# KiCad board endeavour2.kicad_pcb (continued)
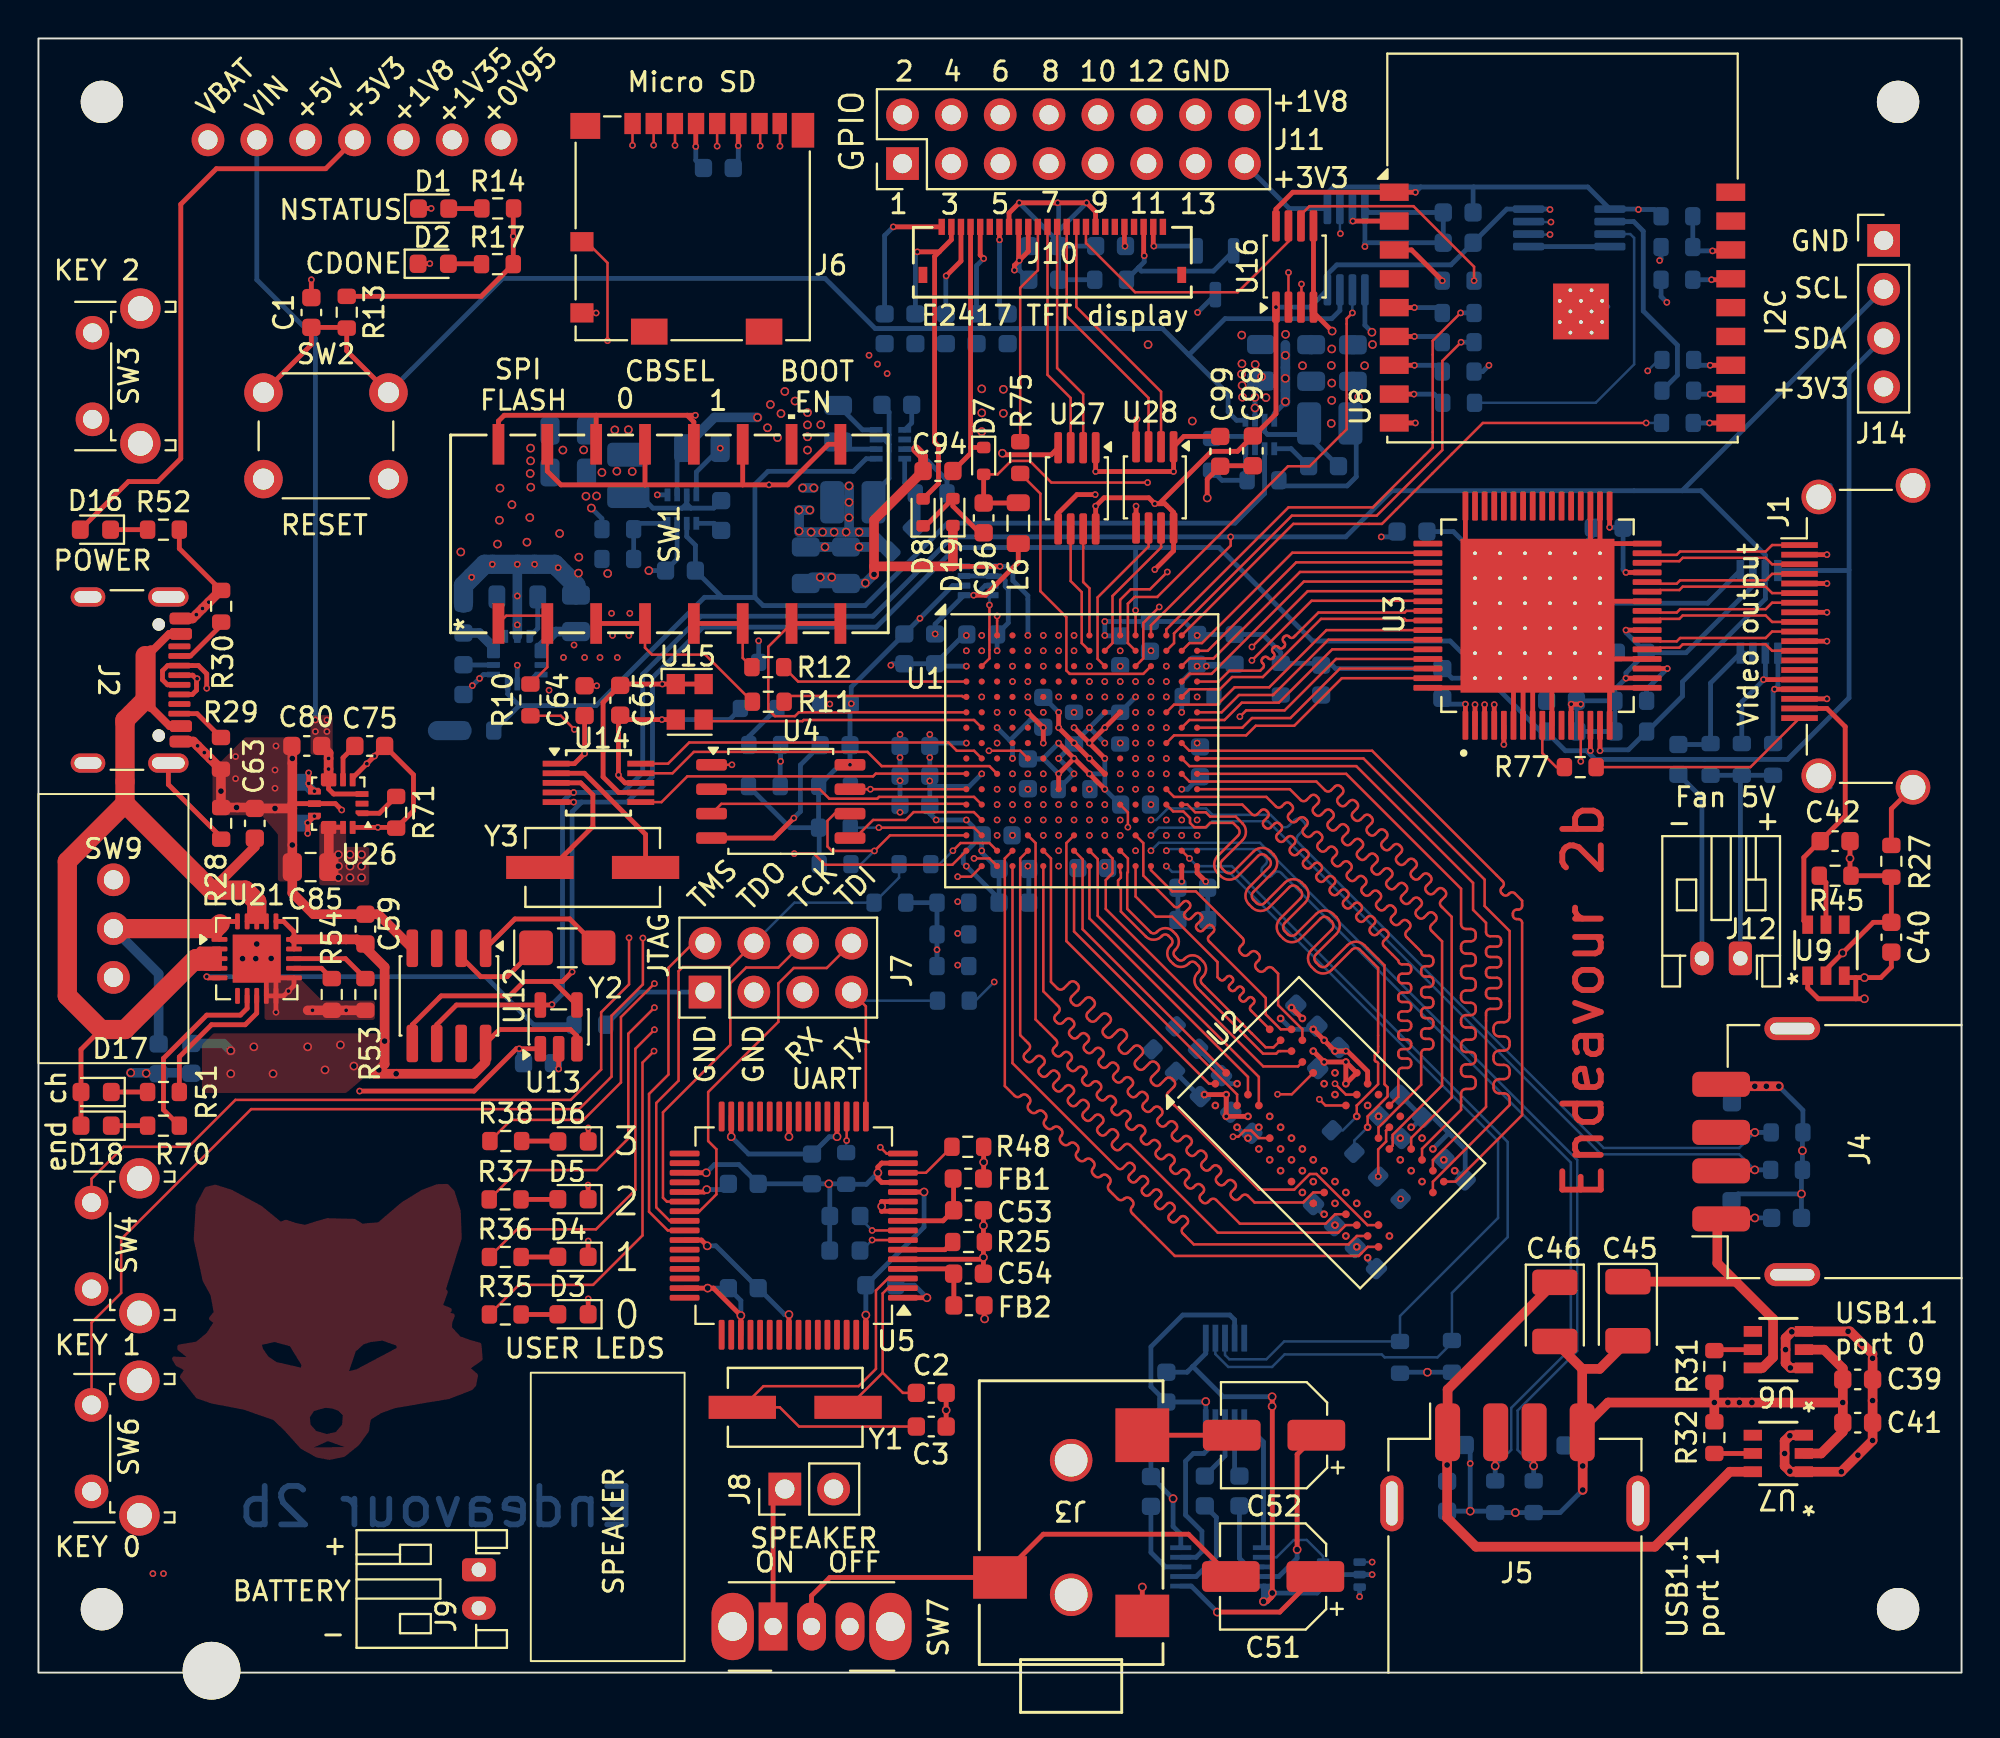
[diagram p0: board, top side]
## Library data of the parts (continued)
U5 = -: Datasheet: https://www.ftdichip.com/Support/Documents/DataSheets/ICs/DS_FT2232H.pdf; Description: Hi Speed Double Channel USB UART/FIFO, LQFP-64; ki_fp_filters: LQFP*10x10mm*P0.5mm*
U6 U7 U9 = -: ki_fp_filters: SOT26_DIO SOT26_DIO-M SOT26_DIO-L
U8 = -: ki_fp_filters: IC18_ESP32-C3-WROOM-02-N4_EXP
U10 = -: Datasheet: http://ww1.microchip.com/downloads/en/DeviceDoc/22187E.pdf; ki_fp_filters: *SOP*3x3mm*P0.5mm*
U11 = -: Datasheet: http://www.ti.com/lit/ds/symlink/lm4811.pdf; ki_fp_filters: TSSOP*3x3mm*P0.5mm*
U12 = -: Datasheet: PCF85063AT/AY; ki_fp_filters: SO8_SOT96-1_NXP SO8_SOT96-1_NXP-M SO8_SOT96-1_NXP-L
U13 = -: Datasheet: https://ww1.microchip.com/downloads/en/devicedoc/20001732e.pdf; Description: Single channel 12bit SAR Analog to Digital Converter, I2C Interface, SOT-23-5; ki_fp_filters: SOT?23*
U14 = -: Datasheet: https://www.silabs.com/documents/public/data-sheets/Si5351-B.pdf; ki_fp_filters: MSOP*3x3mm*P0.5mm*
U15 = -: Datasheet: https://global.kyocera.com/prdct/electro/product/pdf/clock_z_xz_e.pdf; ki_fp_filters: Oscillator*SMD*Kyocera*KC2520Z*2.5x2.0mm*
U16 U24 U27 U28 U31 = -: Datasheet: http://www.ti.com/lit/ds/symlink/sn74lvc2t45.pdf; Description: Dual-Bit Dual-Supply Bus Transceiver With Configurable Voltage Translation and 3-State Outputs, VSSOP-8; ki_fp_filters: VSSOP*2.3x2mm*P0.5mm*
U17 = -: PARTREV: A; STANDARD: IPC 7351B; MAXIMUM_PACKAGE_HEIGHT: 0.6 mm; MANUFACTURER: Texas Instruments
U18-U20 = -: ki_fp_filters: DRL0008A-MFG
U21 = -: Datasheet: http://www.mouser.com/ds/2/268/22090a-52174.pdf; Description: Single cell, Li-Ion/Li-Po charge management controller, 4.20V, 6h safety timer, 3.1V LBO threshold; ki_fp_filters: QFN*4x4mm*P0.5mm*
U22 U26 = -: Datasheet: https://www.analog.com/media/en/technical-documentation/data-sheets/MAX77827.pdf; Description: 5.5V Input, 1.8A/3.1A Switch Buck-Boost, QFN-14; ki_fp_filters: Maxim?FC2QFN*14*2.5x2.5mm*P0.5mm*
U23 = -: Datasheet: http://www.ti.com/lit/ds/symlink/sn74lvc1t45.pdf; Description: Single-Bit Dual-Supply Bus Transceiver With Configurable Voltage Translation and 3-State Outputs, SOT-363; ki_fp_filters: *SC?70*
U25 = -: Datasheet: https://www.nxp.com/docs/en/data-sheet/PCA9306.pdf; Description: Dual bidirectional I2C Bus and SMBus voltage level translator, TSSOP-8; ki_fp_filters: TSSOP*3x3mm*P0.65mm*
Y1 Y3 = -: ki_fp_filters: Crystal*
Y2 = -: Description: Two pin crystal; ki_fp_filters: Crystal*

## Footprints (pads in the part's own frame, mm; a bottom-side part is the same pattern mirrored in y, then rotated)
BGA-96_9.0x13.5mm_Layout2x3x16_P0.8mm
  round 0.4 smd: A1(-3.2,6) A2(-2.4,6) A3(-1.6,6) A7(1.6,6) A8(2.4,6) A9(3.2,6) B1(-3.2,5.2) B2(-2.4,5.2) B3(-1.6,5.2) B7(1.6,5.2) B8(2.4,5.2) B9(3.2,5.2) C1(-3.2,4.4) C2(-2.4,4.4) C3(-1.6,4.4) C7(1.6,4.4) C8(2.4,4.4) C9(3.2,4.4) D1(-3.2,3.6) D2(-2.4,3.6) D3(-1.6,3.6) D7(1.6,3.6) D8(2.4,3.6) D9(3.2,3.6) E1(-3.2,2.8) E2(-2.4,2.8) E3(-1.6,2.8) E7(1.6,2.8) E8(2.4,2.8) E9(3.2,2.8) F1(-3.2,2) F2(-2.4,2) F3(-1.6,2) F7(1.6,2) F8(2.4,2) F9(3.2,2) G1(-3.2,1.2) G2(-2.4,1.2) G3(-1.6,1.2) G7(1.6,1.2) G8(2.4,1.2) G9(3.2,1.2) H1(-3.2,0.4) H2(-2.4,0.4) H3(-1.6,0.4) H7(1.6,0.4) H8(2.4,0.4) H9(3.2,0.4) J1(-3.2,-0.4) J2(-2.4,-0.4) J3(-1.6,-0.4) J7(1.6,-0.4) J8(2.4,-0.4) J9(3.2,-0.4) K1(-3.2,-1.2) K2(-2.4,-1.2) K3(-1.6,-1.2) K7(1.6,-1.2) K8(2.4,-1.2) K9(3.2,-1.2) L1(-3.2,-2) L2(-2.4,-2) L3(-1.6,-2) L7(1.6,-2) L8(2.4,-2) L9(3.2,-2) M1(-3.2,-2.8) M2(-2.4,-2.8) M3(-1.6,-2.8) M7(1.6,-2.8) M8(2.4,-2.8) M9(3.2,-2.8) N1(-3.2,-3.6) N2(-2.4,-3.6) N3(-1.6,-3.6) N7(1.6,-3.6) N8(2.4,-3.6) N9(3.2,-3.6) P1(-3.2,-4.4) P2(-2.4,-4.4) P3(-1.6,-4.4) P7(1.6,-4.4) P8(2.4,-4.4) P9(3.2,-4.4) R1(-3.2,-5.2) R2(-2.4,-5.2) R3(-1.6,-5.2) R7(1.6,-5.2) R8(2.4,-5.2) R9(3.2,-5.2) T1(-3.2,-6) T2(-2.4,-6) T3(-1.6,-6) T7(1.6,-6) T8(2.4,-6) T9(3.2,-6)
BGA-256_14.0x14.0mm_Layout16x16_P0.8mm_Ball0.45mm_Pad0.32mm_NSMD
  round 0.32 smd: A1(-6,6) A2(-5.2,6) A3(-4.4,6) A4(-3.6,6) A5(-2.8,6) A6(-2,6) A7(-1.2,6) A8(-0.4,6) A9(0.4,6) A10(1.2,6) A11(2,6) A12(2.8,6) A13(3.6,6) A14(4.4,6) A15(5.2,6) A16(6,6) B1(-6,5.2) B2(-5.2,5.2) B3(-4.4,5.2) B4(-3.6,5.2) B5(-2.8,5.2) B6(-2,5.2) B7(-1.2,5.2) B8(-0.4,5.2) B9(0.4,5.2) B10(1.2,5.2) B11(2,5.2) B12(2.8,5.2) B13(3.6,5.2) B14(4.4,5.2) B15(5.2,5.2) B16(6,5.2) C1(-6,4.4) C2(-5.2,4.4) C3(-4.4,4.4) C4(-3.6,4.4) C5(-2.8,4.4) C6(-2,4.4) C7(-1.2,4.4) C8(-0.4,4.4) C9(0.4,4.4) C10(1.2,4.4) C11(2,4.4) C12(2.8,4.4) C13(3.6,4.4) C14(4.4,4.4) C15(5.2,4.4) C16(6,4.4) D1(-6,3.6) D2(-5.2,3.6) D3(-4.4,3.6) D4(-3.6,3.6) D5(-2.8,3.6) D6(-2,3.6) D7(-1.2,3.6) D8(-0.4,3.6) D9(0.4,3.6) D10(1.2,3.6) D11(2,3.6) D12(2.8,3.6) D13(3.6,3.6) D14(4.4,3.6) D15(5.2,3.6) D16(6,3.6) E1(-6,2.8) E2(-5.2,2.8) E3(-4.4,2.8) E4(-3.6,2.8) E5(-2.8,2.8) E6(-2,2.8) E7(-1.2,2.8) E8(-0.4,2.8) E9(0.4,2.8) E10(1.2,2.8) E11(2,2.8) E12(2.8,2.8) E13(3.6,2.8) E14(4.4,2.8) E15(5.2,2.8) E16(6,2.8) F1(-6,2) F2(-5.2,2) F3(-4.4,2) F4(-3.6,2) F5(-2.8,2) F6(-2,2) F7(-1.2,2) F8(-0.4,2) F9(0.4,2) F10(1.2,2) F11(2,2) F12(2.8,2) F13(3.6,2) F14(4.4,2) F15(5.2,2) F16(6,2) G1(-6,1.2) G2(-5.2,1.2) G3(-4.4,1.2) G4(-3.6,1.2) G5(-2.8,1.2) G6(-2,1.2) G7(-1.2,1.2) G8(-0.4,1.2) G9(0.4,1.2) G10(1.2,1.2) G11(2,1.2) G12(2.8,1.2) G13(3.6,1.2) G14(4.4,1.2) G15(5.2,1.2) G16(6,1.2) H1(-6,0.4) H2(-5.2,0.4) H3(-4.4,0.4) H4(-3.6,0.4) H5(-2.8,0.4) H6(-2,0.4) H7(-1.2,0.4) H8(-0.4,0.4) H9(0.4,0.4) H10(1.2,0.4) H11(2,0.4) H12(2.8,0.4) H13(3.6,0.4) H14(4.4,0.4) H15(5.2,0.4) H16(6,0.4) J1(-6,-0.4) J2(-5.2,-0.4) J3(-4.4,-0.4) J4(-3.6,-0.4) J5(-2.8,-0.4) J6(-2,-0.4) J7(-1.2,-0.4) J8(-0.4,-0.4) J9(0.4,-0.4) J10(1.2,-0.4) J11(2,-0.4) J12(2.8,-0.4) J13(3.6,-0.4) J14(4.4,-0.4) J15(5.2,-0.4) J16(6,-0.4) K1(-6,-1.2) K2(-5.2,-1.2) K3(-4.4,-1.2) K4(-3.6,-1.2) K5(-2.8,-1.2) K6(-2,-1.2) K7(-1.2,-1.2) K8(-0.4,-1.2) K9(0.4,-1.2) K10(1.2,-1.2) K11(2,-1.2) K12(2.8,-1.2) K13(3.6,-1.2) K14(4.4,-1.2) K15(5.2,-1.2) K16(6,-1.2) L1(-6,-2) L2(-5.2,-2) L3(-4.4,-2) L4(-3.6,-2) L5(-2.8,-2) L6(-2,-2) L7(-1.2,-2) L8(-0.4,-2) L9(0.4,-2) L10(1.2,-2) L11(2,-2) L12(2.8,-2) L13(3.6,-2) L14(4.4,-2) L15(5.2,-2) L16(6,-2) M1(-6,-2.8) M2(-5.2,-2.8) M3(-4.4,-2.8) M4(-3.6,-2.8) M5(-2.8,-2.8) M6(-2,-2.8) M7(-1.2,-2.8) M8(-0.4,-2.8) M9(0.4,-2.8) M10(1.2,-2.8) M11(2,-2.8) M12(2.8,-2.8) M13(3.6,-2.8) M14(4.4,-2.8) M15(5.2,-2.8) M16(6,-2.8) N1(-6,-3.6) N2(-5.2,-3.6) N3(-4.4,-3.6) N4(-3.6,-3.6) N5(-2.8,-3.6) N6(-2,-3.6) N7(-1.2,-3.6) N8(-0.4,-3.6) N9(0.4,-3.6) N10(1.2,-3.6) N11(2,-3.6) N12(2.8,-3.6) N13(3.6,-3.6) N14(4.4,-3.6) N15(5.2,-3.6) N16(6,-3.6) P1(-6,-4.4) P2(-5.2,-4.4) P3(-4.4,-4.4) P4(-3.6,-4.4) P5(-2.8,-4.4) P6(-2,-4.4) P7(-1.2,-4.4) P8(-0.4,-4.4) P9(0.4,-4.4) P10(1.2,-4.4) P11(2,-4.4) P12(2.8,-4.4) P13(3.6,-4.4) P14(4.4,-4.4) P15(5.2,-4.4) P16(6,-4.4) R1(-6,-5.2) R2(-5.2,-5.2) R3(-4.4,-5.2) R4(-3.6,-5.2) R5(-2.8,-5.2) R6(-2,-5.2) R7(-1.2,-5.2) R8(-0.4,-5.2) R9(0.4,-5.2) R10(1.2,-5.2) R11(2,-5.2) R12(2.8,-5.2) R13(3.6,-5.2) R14(4.4,-5.2) R15(5.2,-5.2) R16(6,-5.2) T1(-6,-6) T2(-5.2,-6) T3(-4.4,-6) T4(-3.6,-6) T5(-2.8,-6) T6(-2,-6) T7(-1.2,-6) T8(-0.4,-6) T9(0.4,-6) T10(1.2,-6) T11(2,-6) T12(2.8,-6) T13(3.6,-6) T14(4.4,-6) T15(5.2,-6) T16(6,-6)
C_0603_1608Metric
  rrect 0.9x0.95 smd: 1(-0.775,0) 2(0.775,0)
C_0805_2012Metric
  rrect 1x1.45 smd: 1(-0.95,0) 2(0.95,0)
CONN24X1_CF35242D0RE-NH_CVI
  rect 0.33x0.838 smd: 1(-5.75,1.839) 2(-5.25,1.839) 3(-4.75,1.839) 4(-4.25,1.839) 5(-3.75,1.839) 6(-3.25,1.839) 7(-2.75,1.839) 8(-2.25,1.839) 9(-1.75,1.839) 10(-1.25,1.839) 11(-0.75,1.839) 12(-0.25,1.839) 13(0.25,1.839) 14(0.75,1.839) 15(1.25,1.839) 16(1.75,1.839) 17(2.25,1.839) 18(2.75,1.839) 19(3.25,1.839) 20(3.75,1.839) 21(4.25,1.839) 22(4.75,1.839) 23(5.25,1.839) 24(5.75,1.839)
  rect 0.457x0.838 smd: 25(-6.73,-0.661) 26(6.73,-0.661)
CP_EIA-3528-12_Kemet-T
  rrect 1.325x2.35 smd: 1(-1.538,0) 2(1.538,0)
CP_Elec_5x5.3
  rrect 3x1.6 smd: 1(-2.2,0) 2(2.2,0)
Crystal_SMD_MicroCrystal_CC7V-T1A-2Pin_3.2x1.5mm_HandSoldering
  rrect 1.75x1.8 smd: 1(-1.625,0) 2(1.625,0)
D_0603_1608Metric
  rrect 0.875x0.95 smd: 1(-0.788,0) 2(0.788,0)
D_SOD-523
  rrect 0.6x0.7 smd: 1(-0.7,0) 2(0.7,0)
DRL0008A-MFG
  rect 0.67x0.3 smd: 1(-0.74,0.75) 2(-0.74,0.25) 3(-0.74,-0.25) 4(-0.74,-0.75) 5(0.74,-0.75) 6(0.74,-0.25) 7(0.74,0.25) 8(0.74,0.75)
ESP32-C3-WROOM-02
  rect 1.5x0.9 smd: 1(-8.75,6) 2(-8.75,4.5) 3(-8.75,3) 4(-8.75,1.5) 5(-8.75,0) 6(-8.75,-1.5) 7(-8.75,-3) 8(-8.75,-4.5) 9(-8.75,-6) 10(8.75,-6) 11(8.75,-4.5) 12(8.75,-3) 13(8.75,-1.5) 14(8.75,0) 15(8.75,1.5) 16(8.75,3) 17(8.75,4.5) 18(8.75,6)
  round 0.6 hole 0.2: 19(-0.14,0.35) 19(-0.14,-0.75) 19(0.41,0.9) 19(0.41,-0.2) 19(0.41,-1.3) 19(0.96,0.35) 19(0.96,-0.75) 19(1.51,0.9) 19(1.51,-0.2) 19(1.51,-1.3) 19(2.06,0.35) 19(2.06,-0.75)
  rect 2.9x2.9 smd: 19(0.96,-0.2)
HDMI_A_Amphenol_10029449-x01xLF_Horizontal
  rect 0.3x1.9 smd: 1(4.75,5) 2(4.25,5) 3(3.75,5) 4(3.25,5) 5(2.75,5) 6(2.25,5) 7(1.75,5) 8(1.25,5) 9(0.75,5) 10(0.25,5) 11(-0.25,5) 12(-0.75,5) 13(-1.25,5) 14(-1.75,5) 15(-2.25,5) 16(-2.75,5) 17(-3.25,5) 18(-3.75,5) 19(-4.25,5)
  round 1.8 hole 1.3: SH(-7.85,-0.9) SH(-7.25,4) SH(7.25,4) SH(7.85,-0.9)
IC_TFP410PAP
  rrect 1.5x0.3 smd: 1(-5.7,3.75) 2(-5.7,3.25) 3(-5.7,2.75) 4(-5.7,2.25) 5(-5.7,1.75) 6(-5.7,1.25) 7(-5.7,0.75) 8(-5.7,0.25) 9(-5.7,-0.25) 10(-5.7,-0.75) 11(-5.7,-1.25) 12(-5.7,-1.75) 13(-5.7,-2.25) 14(-5.7,-2.75) 15(-5.7,-3.25) 16(-5.7,-3.75) 33(5.7,-3.75) 34(5.7,-3.25) 35(5.7,-2.75) 36(5.7,-2.25) 37(5.7,-1.75) 38(5.7,-1.25) 39(5.7,-0.75) 40(5.7,-0.25) 41(5.7,0.25) 42(5.7,0.75) 43(5.7,1.25) 44(5.7,1.75) 45(5.7,2.25) 46(5.7,2.75) 47(5.7,3.25) 48(5.7,3.75)
  rrect 0.3x1.5 smd: 17(-3.75,-5.7) 18(-3.25,-5.7) 19(-2.75,-5.7) 20(-2.25,-5.7) 21(-1.75,-5.7) 22(-1.25,-5.7) 23(-0.75,-5.7) 24(-0.25,-5.7) 25(0.25,-5.7) 26(0.75,-5.7) 27(1.25,-5.7) 28(1.75,-5.7) 29(2.25,-5.7) 30(2.75,-5.7) 31(3.25,-5.7) 32(3.75,-5.7) 49(3.75,5.7) 50(3.25,5.7) 51(2.75,5.7) 52(2.25,5.7) 53(1.75,5.7) 54(1.25,5.7) 55(0.75,5.7) 56(0.25,5.7) 57(-0.25,5.7) 58(-0.75,5.7) 59(-1.25,5.7) 60(-1.75,5.7) 61(-2.25,5.7) 62(-2.75,5.7) 63(-3.25,5.7) 64(-3.75,5.7)
  round 0.4 hole 0.2: 65(-3.25,3.25) 65(-3.25,1.95) 65(-3.25,0.65) 65(-3.25,-0.65) 65(-3.25,-1.95) 65(-3.25,-3.25) 65(-1.95,3.25) 65(-1.95,1.95) 65(-1.95,0.65) 65(-1.95,-0.65) 65(-1.95,-1.95) 65(-1.95,-3.25) 65(-0.65,3.25) 65(-0.65,1.95) 65(-0.65,0.65) 65(-0.65,-0.65) 65(-0.65,-1.95) 65(-0.65,-3.25) 65(0.65,3.25) 65(0.65,1.95) 65(0.65,0.65) 65(0.65,-0.65) 65(0.65,-1.95) 65(0.65,-3.25) 65(1.95,3.25) 65(1.95,1.95) 65(1.95,0.65) 65(1.95,-0.65) 65(1.95,-1.95) 65(1.95,-3.25) 65(3.25,3.25) 65(3.25,1.95) 65(3.25,0.65) 65(3.25,-0.65) 65(3.25,-1.95) 65(3.25,-3.25)
  rect 8x8 smd: 65(0,0)
JST_PH_S2B-PH-K_1x02_P2.00mm_Horizontal
  rrect 1.2x1.75 hole 0.75: 1(0,0)
  oval 1.2x1.75 hole 0.75: 2(2,0)
L_0603_1608Metric
  rrect 0.875x0.95 smd: 1(-0.787,0) 2(0.787,0)
L_0805_2012Metric
  rrect 0.875x1.2 smd: 1(-1.062,0) 2(1.062,0)
L_1008_2520Metric
  rrect 1.25x2.2 smd: 1(-1.075,0) 2(1.075,0)
LED_0603_1608Metric
  rrect 0.875x0.95 smd: 1(-0.787,0) 2(0.787,0)
LQFP-64_10x10mm_P0.5mm
  rrect 1.55x0.3 smd: 1(-5.675,3.75) 2(-5.675,3.25) 3(-5.675,2.75) 4(-5.675,2.25) 5(-5.675,1.75) 6(-5.675,1.25) 7(-5.675,0.75) 8(-5.675,0.25) 9(-5.675,-0.25) 10(-5.675,-0.75) 11(-5.675,-1.25) 12(-5.675,-1.75) 13(-5.675,-2.25) 14(-5.675,-2.75) 15(-5.675,-3.25) 16(-5.675,-3.75) 33(5.675,-3.75) 34(5.675,-3.25) 35(5.675,-2.75) 36(5.675,-2.25) 37(5.675,-1.75) 38(5.675,-1.25) 39(5.675,-0.75) 40(5.675,-0.25) 41(5.675,0.25) 42(5.675,0.75) 43(5.675,1.25) 44(5.675,1.75) 45(5.675,2.25) 46(5.675,2.75) 47(5.675,3.25) 48(5.675,3.75)
  rrect 0.3x1.55 smd: 17(-3.75,-5.675) 18(-3.25,-5.675) 19(-2.75,-5.675) 20(-2.25,-5.675) 21(-1.75,-5.675) 22(-1.25,-5.675) 23(-0.75,-5.675) 24(-0.25,-5.675) 25(0.25,-5.675) 26(0.75,-5.675) 27(1.25,-5.675) 28(1.75,-5.675) 29(2.25,-5.675) 30(2.75,-5.675) 31(3.25,-5.675) 32(3.75,-5.675) 49(3.75,5.675) 50(3.25,5.675) 51(2.75,5.675) 52(2.25,5.675) 53(1.75,5.675) 54(1.25,5.675) 55(0.75,5.675) 56(0.25,5.675) 57(-0.25,5.675) 58(-0.75,5.675) 59(-1.25,5.675) 60(-1.75,5.675) 61(-2.25,5.675) 62(-2.75,5.675) 63(-3.25,5.675) 64(-3.75,5.675)
Maxim_FC2QFN-14_2.5x2.5mm_P0.5mm
  rrect 0.675x0.3 smd: 1(-1.238,0.5) 2(-1.238,0) 3(-1.238,-0.5)
  rrect 0.3x0.675 smd: 4(-0.75,-1.238) 5(-0.25,-1.238) 13(-0.25,1.238) 14(-0.75,1.238)
  rrect 0.8x0.675 smd: 6(0.5,-1.238) 11(0.5,1.238)
  rrect 0.675x0.35 smd: 8(1.238,-0.65) 9(1.238,0) 10(1.238,0.65)
microSD_HC_Molex_104031-0811
  rect 0.85x1.1 smd: 1(-3.105,5.45) 2(-2.005,5.45) 3(-0.905,5.45) 4(0.195,5.45) 5(1.295,5.45) 6(2.395,5.45) 7(3.495,5.45)
  rect 0.75x1.1 smd: 8(4.545,5.45)
  rect 1.2x1 smd: 9(-5.74,-0.7) 10(-5.74,-4.4)
  rect 1.55x1.35 smd: 11(-5.565,5.325)
  rect 1.9x1.35 smd: 11(-2.24,-5.375) 11(3.73,-5.375)
  rect 1.17x1.8 smd: 11(5.755,5.1)
MountingHole_2.2mm_M2
  round 2.2 hole 2.2 unplated: (0,0)
MSOP-8_3x3mm_P0.65mm
  rrect 1.625x0.4 smd: 1(-2.112,0.975) 2(-2.112,0.325) 3(-2.112,-0.325) 4(-2.112,-0.975) 5(2.112,-0.975) 6(2.112,-0.325) 7(2.112,0.325) 8(2.112,0.975)
MSOP-10_3x3mm_P0.5mm
  rect 1.4x0.3 smd: 1(-2.2,1) 2(-2.2,0.5) 3(-2.2,0) 4(-2.2,-0.5) 5(-2.2,-1) 6(2.2,-1) 7(2.2,-0.5) 8(2.2,0) 9(2.2,0.5) 10(2.2,1)
mss3111
  oval 1.7x1.7 hole 1: 1(0,2.54) 2(0,0) 3(0,-2.54)
Oscillator_SMD_Kyocera_KC2520Z-4Pin_2.5x2.0mm
  rect 0.95x1.05 smd: 1(-0.725,0.925) 2(-0.725,-0.925) 3(0.725,-0.925) 4(0.725,0.925)
PinHeader_1x02_P2.54mm_Vertical
  rect 1.7x1.7 hole 1: 1(0,0)
  oval 1.7x1.7 hole 1: 2(0,-2.54)
PinHeader_1x04_P2.54mm_Vertical
  rect 1.7x1.7 hole 1: 1(0,0)
  oval 1.7x1.7 hole 1: 2(0,-2.54) 3(0,-5.08) 4(0,-7.62)
PinHeader_1x07_P2.54mm_Vertical
  round 1.7 hole 1: 1(0,0) 2(0,-2.54) 3(0,-5.08) 4(0,-7.62) 5(0,-10.16) 6(0,-12.7) 7(0,-15.24)
PinHeader_2x04_P2.54mm_Vertical
  rect 1.7x1.7 hole 1: 1(0,0)
  oval 1.7x1.7 hole 1: 2(2.54,0) 3(0,-2.54) 4(2.54,-2.54) 5(0,-5.08) 6(2.54,-5.08) 7(0,-7.62) 8(2.54,-7.62)
PinHeader_2x08_P2.54mm_Vertical
  rect 1.7x1.7 hole 1: 1(0,0)
  oval 1.7x1.7 hole 1: 2(2.54,0) 3(0,-2.54) 4(2.54,-2.54) 5(0,-5.08) 6(2.54,-5.08) 7(0,-7.62) 8(2.54,-7.62) 9(0,-10.16) 10(2.54,-10.16) 11(0,-12.7) 12(2.54,-12.7) 13(0,-15.24) 14(2.54,-15.24) 15(0,-17.78) 16(2.54,-17.78)
QFN-20-1EP_4x4mm_P0.5mm_EP2.5x2.5mm
  rrect 1.01x1.01 smd: (-0.625,0.625) (-0.625,-0.625) (0.625,0.625) (0.625,-0.625)
  rrect 0.825x0.25 smd: 1(-1.938,1) 2(-1.938,0.5) 3(-1.938,0) 4(-1.938,-0.5) 5(-1.938,-1) 11(1.938,-1) 12(1.938,-0.5) 13(1.938,0) 14(1.938,0.5) 15(1.938,1)
  rrect 0.25x0.825 smd: 6(-1,-1.938) 7(-0.5,-1.938) 8(0,-1.938) 9(0.5,-1.938) 10(1,-1.938) 16(1,1.938) 17(0.5,1.938) 18(0,1.938) 19(-0.5,1.938) 20(-1,1.938)
  rect 2.5x2.5 smd: 21(0,0)
R_0603_1608Metric
  rrect 0.8x0.95 smd: 1(-0.825,0) 2(0.825,0)
SC-59
  rrect 0.9x0.8 smd: 1(-1.2,0.95) 2(-1.2,-0.95) 3(1.2,0)
SJ-3523-SMT_CUD
  round 2.21 hole 1.702 unplated: (0,3.752) (0,-3.248)
  rect 2.794x2.21 smd: 1(-3.7,4.852) 3(3.7,2.852)
  rect 2.794x2.794 smd: 2(-3.7,-4.548)
SOIC-8_3.9x4.9mm_P1.27mm
  rrect 1.95x0.6 smd: 1(-2.475,1.905) 2(-2.475,0.635) 3(-2.475,-0.635) 4(-2.475,-1.905) 5(2.475,-1.905) 6(2.475,-0.635) 7(2.475,0.635) 8(2.475,1.905)
SOIC-8_5.23x5.23mm_P1.27mm
  rrect 1.6x0.6 smd: 1(-3.6,1.905) 2(-3.6,0.635) 3(-3.6,-0.635) 4(-3.6,-1.905) 5(3.6,-1.905) 6(3.6,-0.635) 7(3.6,0.635) 8(3.6,1.905)
SOT26_DIO
  rect 0.953x0.559 smd: 1(-1.327,0.95) 2(-1.327,0) 3(-1.327,-0.95) 4(1.327,-0.95) 5(1.327,0) 6(1.327,0.95)
SOT-23-3
  rrect 1.325x0.6 smd: 1(-1.137,0.95) 2(-1.137,-0.95) 3(1.137,0)
SOT-23-5
  rrect 1.325x0.6 smd: 1(-1.137,0.95) 2(-1.137,0) 3(-1.137,-0.95) 4(1.137,-0.95) 5(1.137,0.95)
SOT-363_SC-70-6
  rrect 0.65x0.4 smd: 1(-0.95,0.65) 2(-0.95,0) 3(-0.95,-0.65) 4(0.95,-0.65) 5(0.95,0) 6(0.95,0.65)
SOTFL50P160X60-8N
  rrect 0.66x0.32 smd: 1(-0.735,0.75) 2(-0.735,0.25) 3(-0.735,-0.25) 4(-0.735,-0.75) 5(0.735,-0.75) 6(0.735,-0.25) 7(0.735,0.25) 8(0.735,0.75)
SPDT_204-124_CTS
  rect 2.108x0.61 smd: 1(-4.661,8.89) 2(-4.661,6.35) 3(-4.661,3.81) 4(-4.661,1.27) 5(-4.661,-1.27) 6(-4.661,-3.81) 7(-4.661,-6.35) 8(-4.661,-8.89) 9(4.661,-8.89) 10(4.661,-6.35) 11(4.661,-3.81) 12(4.661,-1.27) 13(4.661,1.27) 14(4.661,3.81) 15(4.661,6.35) 16(4.661,8.89)
SW_PUSH_6mm
  round 2 hole 1.1: 1(0,0) 1(6.5,0) 2(0,-4.5) 2(6.5,-4.5)
SW_Slide_SPDT_Angled_CK_OS102011MA1Q
  oval 2.2x3.5 hole 1.5: (-2.1,0) (6.1,0)
  rect 1.5x2.5 hole 0.9: 1(0,0)
  oval 1.5x2.5 hole 0.9: 2(2,0) 3(4,0)
SW_Tactile_SPST_Angled_PTS645Vx58-2LFS
  round 2.1 hole 1.3: (-1.25,-2.49) (5.76,-2.49)
  round 1.75 hole 0.99: 1(0,0) 2(4.5,0)
TSSOP-8_3x3mm_P0.65mm
  rect 1.1x0.4 smd: 1(-2.15,0.975) 2(-2.15,0.325) 3(-2.15,-0.325) 4(-2.15,-0.975) 5(2.15,-0.975) 6(2.15,-0.325) 7(2.15,0.325) 8(2.15,0.975)
TSSOP-10_3x3mm_P0.5mm
  rect 1.1x0.25 smd: 1(-2.15,1) 2(-2.15,0.5) 3(-2.15,0) 4(-2.15,-0.5) 5(-2.15,-1) 6(2.15,-1) 7(2.15,-0.5) 8(2.15,0) 9(2.15,0.5) 10(2.15,1)
unnamed
  round 3 hole 4 unplated: (0,0.1)
USB_A_Receptacle_GCT_USB1046
  rrect 1.3x3 smd: 1(-3.5,7.25) 2(-1,7.25) 3(1,7.25) 4(3.5,7.25)
  oval 1.2x2.9 hole 0.6x2.3: 5(-6.4,3.55) 5(6.4,3.55)
USB_A_Receptacle_GCT_USB1046#2
  oval 1.2x2.9 smd: (-6.4,3.55) (6.4,3.55)
  rrect 1.3x3 smd: 1(-3.5,7.25) 2(-1,7.25) 3(1,7.25) 4(3.5,7.25)
  oval 1.2x2.9 hole 0.6x2.3: 5(-6.4,3.55) 5(6.4,3.55)
USB_C_Receptacle_GCT_USB4105-xx-A_16P_TopMnt_Horizontal
  oval 1x2.1 hole 0.6x1.7: (-4.32,3.105) S1(4.32,3.105)
  oval 1x1.8 hole 0.6x1.4: (-4.32,-1.075) (4.32,-1.075)
  round 0.65 hole 0.65 unplated: (-2.89,2.605) (2.89,2.605)
  rrect 0.6x1.15 smd: A1(-3.2,3.75) A4(-2.4,3.75) A9(2.4,3.75) A12(3.2,3.75) B1(3.2,3.75) B4(2.4,3.75) B9(-2.4,3.75) B12(-3.2,3.75)
  rrect 0.3x1.15 smd: A5(-1.25,3.68) A6(-0.25,3.68) A7(0.25,3.68) A8(1.25,3.68) B5(1.75,3.68) B6(0.75,3.68) B7(-0.75,3.68) B8(-1.75,3.68)
XTAL_ECS-120-20-3X-TR
  rect 3.5x1.2 smd: 1(-2.75,0) 2(2.75,0)

## Nets
3V3_SCL: J14.2 R50.2 U1.A13 U3.15 U12.6 U13.5 U14.4 U25.3
3V3_SDA: J14.3 R49.2 U1.A12 U3.14 U12.5 U13.4 U14.5 U25.4
+0V95: C6.1 C7.1 C8.1 C9.1 C60.1 C77.1 C82.1 J13.7 L1.2 R64.2 U1.F6 U1.F11 U1.G8 U1.G10 U1.H7 U1.H9 U1.J8 U1.J10 U1.K7 U1.K9 U1.L7 U1.L10
+1V8: C5.1 C10.1 C11.1 C12.1 C57.1 C58.1 C65.1 C79.1 C84.1 C98.2 C101.1 J11.16 J13.5 L3.2 R6.1 R7.1 R8.1 R9.1 R13.1 R14.1 R16.1 R17.1 R68.2 SW1.12 SW1.14 SW1.16 SW3.1 SW4.1 SW6.1 U1.C6 U1.C11 U1.D9 U1.E7 U1.F5 U1.G3 U1.G6 U1.G11 U1.H6 U1.J4 U1.K6 U1.K11 U1.M3 U4.8 U5.12 U5.37 U5.64 U14.7 U15.1 U15.4 U16.1 U17.6 U24.8 U27.8 U28.8 U31.8
+1V35: C13.1 C14.1 C15.1 C16.1 C17.1 C18.1 C24.1 C25.1 C26.1 C27.1 C28.1 C37.1 C38.1 C78.1 C83.1 J13.6 L2.2 R39.1 R40.1 R66.2 U1.C16 U1.F15 U1.G13 U1.J14 U1.K12 U1.L15 U1.M8 U1.N6 U1.P9 U1.R7 U1.T5 U2.A1 U2.A8 U2.B2 U2.C1 U2.C9 U2.D2 U2.D9 U2.E9 U2.F1 U2.G7 U2.H2 U2.H9 U2.K2 U2.K8 U2.N1 U2.N9 U2.R1 U2.R9 U23.6
+3V3: C4.1 C19.1 C20.1 C21.1 C23.1 C32.1 C33.1 C34.1 C35.1 C36.1 C55.1 C56.1 C64.1 C66.1 C81.1 C92.2 C93.2 C99.2 C100.1 D16.2 FB1.2 FB2.2 J6.4 J10.9 J10.10 J11.15 J13.4 J14.4 L6.1 R5.2 R21.2 R22.2 R23.2 R24.2 R46.1 R47.1 R48.1 R49.1 R50.1 R58.1 R59.1 U1.B13 U1.D14 U1.P4 U1.P14 U1.T15 U3.1 U3.12 U3.18 U3.23 U3.29 U3.33 U5.20 U5.31 U5.42 U5.56 U8.1 U14.1 U16.8 U17.3 U17.5 U22.11 U22.13 U24.1 U25.2 U27.1 U28.1 U31.1
+5V: C39.2 C40.1 C41.2 C49.2 C70.2 C85.1 J12.1 J13.3 R78.1 R79.1 R80.1 U6.1 U6.3 U7.1 U7.3 U9.1 U9.3 U10.1 U11.10 U13.1 U23.1 U26.11 U26.13
GND: C1.2 C2.2 C3.2 C4.2 C5.2 C6.2 C7.2 C8.2 C9.2 C10.2 C11.2 C12.2 C13.2 C14.2 C15.2 C16.2 C17.2 C18.2 C19.2 C20.2 C21.2 C22.2 C23.2 C24.2 C25.2 C26.2 C27.2 C28.2 C29.2 C30.2 C31.2 C32.2 C33.2 C34.2 C35.2 C36.2 C37.2 C38.2 C39.1 C40.2 C41.1 C42.2 C43.1 C44.1 C45.2 C46.2 C49.1 C50.2 C53.2 C54.2 C55.2 C56.2 C57.2 C58.2 C59.2 C60.2 C61.2 C62.2 C63.2 C64.2 C65.2 C66.2 C67.2 C68.2 C69.2 C70.1 C71.2 C75.2 C76.2 C77.2 C78.2 C79.2 C80.2 C81.2 C82.2 C83.2 C84.2 C85.2 C86.1 C87.2 C88.1 C89.1 C90.1 C91.1 C92.1 C93.1 C94.1 C95.1 C97.2 C98.1 C99.1 C100.2 C101.2 D3.1 D4.1 D5.1 D6.1 D10.1 D11.1 D12.1 D13.1 D14.1 D15.1 D19.1 J1.2 J1.5 J1.8 J1.11 J1.17 J2.A1 J2.A12 J2.B1 J2.B12 J3.1 J4.4 J5.4 J6.6 J6.10 J7.1 J7.3 J8.2 J9.2 J10.8 J10.17 J11.14 J12.2 J14.1 Q1.2 R1.2 R2.2 R3.2 R4.2 R18.2 R25.2 R27.1 R28.2 R29.2 R30.2 R31.2 R32.2 R33.2 R34.2 R41.2 R42.2 R43.2 R44.2 R45.2 R52.2 R53.1 R54.1 R65.1 R67.1 R69.1 R71.1 R72.1 SW1.9 SW1.11 SW1.13 SW1.15 SW2.2 TH1.1 U1.A1 U1.A5 U1.A10 U1.A16 U1.B8 U1.C1 U1.D4 U1.E2 U1.E12 U1.F7 U1.G7 U1.G9 U1.H1 U1.H8 U1.H10 U1.H16 U1.J7 U1.J9 U1.K2 U1.K8 U1.K10 U1.L5 U1.M13 U1.N1 U1.N11 U1.N16 U1.R2 U1.R12 U1.T1 U1.T10 U1.T16 U2.A9 U2.B1 U2.B3 U2.B9 U2.D1 U2.D8 U2.E1 U2.E2 U2.E8 U2.F9 U2.G1 U2.G8 U2.G9 U2.J2 U2.J8 U2.M1 U2.M9 U2.P1 U2.P9 U2.T1 U2.T9 U3.6 U3.7 U3.8 U3.10 U3.16 U3.17 U3.20 U3.26 U3.32 U3.34 U3.35 U3.48 U3.64 U3.65 U4.4 U5.1 U5.5 U5.10 U5.11 U5.13 U5.15 U5.25 U5.35 U5.47 U5.51 U6.2 U7.2 U8.9 U8.19 U9.2 U10.4 U10.10 U11.5 U12.4 U13.2 U14.8 U15.2 U16.4 U16.5 U17.1 U18.4 U18.7 U19.4 U19.7 U20.4 U20.7 U21.9 U21.10 U21.11 U21.21 U22.1 U22.4 U22.9 U22.14 U23.2 U23.5 U24.4 U24.5 U25.1 U26.4 U26.9 U26.14 U27.4 U27.5 U28.4 U28.5 U31.4 U31.5
VBAT: C59.1 C62.1 J9.1 J13.1 U12.8 U13.3 U21.14 U21.15 U21.16
VCCIO_EN: C87.1 R74.2 U18.1 U19.6 U20.6 U22.3
VIN: C67.1 C68.1 C69.1 C71.1 C80.1 J13.2 R74.1 SW9.1 U18.2 U19.2 U20.2 U22.6 U26.3 U26.6
BOOT_EN: SW1.7 SW1.8 U1.F1
CBSEL0: R11.1 U1.E1
CBSEL1: R12.1 U1.D1
CDONE: R9.2 R15.1 U1.K5
CLK25: U1.G2 U15.3
CRESET_N: C1.1 R13.2 SW2.1 U1.J5 U19.1 U20.1 U22.2 U24.7
CRESET_N_3V3: U3.13 U24.2
DDR_A0: U1.L13 U2.N3
DDR_A1: U1.J12 U2.P7
DDR_A2: U1.L12 U2.P3
DDR_A3: U1.P5 U2.N2
DDR_A4: U1.K16 U2.P8
DDR_A5: U1.R5 U2.P2
DDR_A6: U1.J15 U2.R8
DDR_A7: U1.T4 U2.R2
DDR_A8: U1.H15 U2.T8
DDR_A9: U1.R6 U2.R3
DDR_A10: U1.L14 U2.L7
DDR_A11: U1.J13 U2.R7
DDR_A12: U1.K14 U2.N7
DDR_A13: U1.P15 U2.T3
DDR_A14: U1.J16 U2.T7
DDR_A15: U1.L16 U2.M7
DDR_BA0: U1.M6 U2.M2
DDR_BA1: U1.K15 U2.N8
DDR_BA2: U1.N14 U2.M3
DDR_CK+: R26.2 U1.M14 U2.J7
DDR_CK-: R26.1 U1.M15 U2.K7
DDR_CKE: U1.M16 U2.K9
DDR_DQ0: U1.M7 U2.E3
DDR_DQ1: U1.M10 U2.F7
DDR_DQ2: U1.P7 U2.F2
DDR_DQ3: U1.M11 U2.F8
DDR_DQ4: U1.N7 U2.H3
DDR_DQ5: U1.P11 U2.H8
DDR_DQ6: U1.T7 U2.G2
DDR_DQ7: U1.P10 U2.H7
DDR_DQ8: U1.R10 U2.D7
DDR_DQ9: U1.T9 U2.C3
DDR_DQ10: U1.T13 U2.C8
DDR_DQ11: U1.T8 U2.C2
DDR_DQ12: U1.T12 U2.A7
DDR_DQ13: U1.P8 U2.A2
DDR_DQ14: U1.P12 U2.B8
DDR_DQ15: U1.R8 U2.A3
DDR_LDM: U1.M9 U2.E7
DDR_LDQS+: U1.N9 U2.F3
DDR_LDQS-: U1.N10 U2.G3
DDR_nCAS: U1.P16 U2.K3
DDR_nCS: U1.T6 U2.L2
DDR_nRAS: U1.L11 U2.J3
DDR_nRESET: U1.R4 U2.T2
DDR_nWE: U1.N15 U2.L3
DDR_ODT: U1.L6 U2.K1
DDR_UDM: U1.R9 U2.D3
DDR_UDQS+: U1.T11 U2.C7
DDR_UDQS-: U1.R11 U2.B7
DVI_CK+: U1.E15 U3.57
DVI_CK-: U1.D16 U3.56
DVI_D0: U1.H14 U3.63
DVI_D1: U1.G16 U3.62
DVI_D2: U1.G12 U3.61
DVI_D3: U1.G15 U3.60
DVI_D4: U1.F16 U3.59
DVI_D5: U1.F14 U3.58
DVI_D6: U1.F13 U3.55
DVI_D7: U1.F12 U3.54
DVI_D8: U1.D15 U3.53
DVI_D9: U1.C15 U3.52
DVI_D10: U1.B16 U3.51
DVI_D11: U1.B15 U3.50
DVI_DE: U1.G14 U3.2
DVI_HSYNC: U1.H12 U3.4
DVI_TX0+: J1.7 U3.25
DVI_TX0-: J1.9 U3.24
DVI_TX1+: J1.4 U3.28
DVI_TX1-: J1.6 U3.27
DVI_TX2+: J1.1 U3.31
DVI_TX2-: J1.3 U3.30
DVI_TXC+: J1.10 U3.22
DVI_TXC-: J1.12 U3.21
DVI_VSYNC: U1.H13 U3.5
DYN_CLK0: U1.J2 U14.10
DYN_CLK1: U1.K3 U14.9
DYN_CLK2: U1.K1 U14.6
E2417_BUSY_N: U1.E11 U16.2
E2417_CSB: U1.A9 U27.7
E2417_DC: U1.C10 U28.6
E2417_RST_N: U1.B10 U28.7
E2417_SCL: U1.B9 U27.6
E2417_SDA: R75.1 U1.C13
ESP32_DR: U1.A11 U16.3
ESP32_DR_3V3: R60.1 U16.6
ESP32_EN: U1.B12 U24.6
ESP32_EN_3V3: U8.2 U24.3
ESP32_HS: R73.2 U1.E13
ESP32_MISO: R76.2 U1.C14
ESP32_MOSI: R61.1 U1.B14
ESP32_RX: U1.C12 U31.7
ESP32_RX_3V3: R56.1 U31.2
ESP32_SCLK: R62.1 U1.A14
ESP32_SCS: R63.1 U1.A15
ESP32_SPI_BOOT: U1.D12 U31.6
ESP32_SPI_BOOT_3V3: R57.1 U31.3
ESP32_TX: R55.1 U1.D13
GPIO_A6: J11.2 U1.A6
GPIO_A7: J11.4 U1.A7
GPIO_A8: J11.6 U1.A8
GPIO_B5: J11.1 U1.B5
GPIO_B6: J11.3 U1.B6
GPIO_B7: J11.5 U1.B7
GPIO_B11: J11.12 U1.B11
GPIO_C9: J11.8 U1.C9
GPIO_D10: J11.10 U1.D10
GPIO_D11: J11.13 U1.D11
GPIO_E9: J11.7 U1.E9
GPIO_E10: J11.11 U1.E10
GPIO_F9: J11.9 U1.F9
JTAG_TCK: J7.6 R21.1 U1.T2 U5.38
JTAG_TDI: J7.8 R22.1 U1.T3 U5.39
JTAG_TDO: J7.4 R20.1 R23.1 U5.40
JTAG_TMS: J7.2 R24.1 U1.P3 U5.41
SD_CLK: J6.5 U1.A3
SD_CMD: J6.3 U1.A2
SD_D0: J6.7 U1.C4
SD_D1: J6.8 U1.D5
SD_D2: J6.1 U1.B1
SD_D3: J6.2 U1.B2
SD_nDETECT: J6.9 U1.E5
SD_VCCIO: C22.1 U1.B3 U17.2 U17.7
SD_VCCIO_SEL_3V3: U1.C2 U17.4
SND_SCL: R47.2 U1.R15 U10.2
SND_SDA: R46.2 U1.T14 U10.3
SND_SHDN: U1.E14 U23.4
SSL_N: R10.1 U1.R1 U4.1
UART_RX: J7.5 U1.N4 U5.16
UART_TX: J7.7 R19.1 U5.17
USB1_D+: D12.2 J4.3 R43.1 U1.N13
USB1_D-: D13.2 J4.2 R33.1 U1.P13
USB2_D+: D14.2 J5.3 R44.1 U1.R13
USB2_D-: D15.2 J5.2 R34.1 U1.R14
USBC_D+: D11.2 J2.A6 J2.B6 U5.8
USBC_D-: D10.2 J2.A7 J2.B7 U5.7
USER_KEY0: SW6.2 U1.L4
USER_KEY1: SW4.2 U1.K4
USER_KEY2: SW3.2 U1.H3
USER_LED0: R35.1 U1.N3
USER_LED1: R36.1 U1.M4
USER_LED2: R37.1 U1.M5
USER_LED3: R38.1 U1.L3
VREF1: C29.1 C31.1 R40.2 R41.1 U1.N8 U1.P6 U2.H1 U2.M8
VREF2: C30.1 R39.2 R42.1 U1.E16 U1.K13 U3.3
Net-(C52-Pad2): C52.2 J3.2
Net-(D1-A): D1.2 R14.2
Net-(D1-K): D1.1 U1.F4
Net-(D2-A): D2.2 R17.2
Net-(D2-K): D2.1 Q1.3
Net-(D3-A): D3.2 R35.2
Net-(D4-A): D4.2 R36.2
Net-(D5-A): D5.2 R37.2
Net-(D6-A): D6.2 R38.2
Net-(D7-A): C96.1 D7.2 L6.2 Q2.3
Net-(D7-K): C94.2 D7.1 J10.4
Net-(D8-A): C95.2 D8.2 J10.2
Net-(D16-K): D16.1 R52.1
Net-(D17-A): C63.1 D17.2 D18.2 J2.A4 J2.A9 J2.B4 J2.B9 U21.2 U21.3 U21.4 U21.17 U21.18 U21.19
Net-(D17-K): D17.1 R51.1
Net-(D18-K): D18.1 R70.1
Net-(D19-A): C96.2 D8.1 D19.2
Net-(J1-+5V): C42.1 J1.18 U9.6
Net-(J1-HPD): J1.19 R77.2
Net-(J1-PadSH): J1.SH R27.2
Net-(J1-SCL): J1.15 R79.2 U25.6
Net-(J1-SDA): J1.16 R80.2 U25.5
Net-(J2-CC1): J2.A5 R30.1
Net-(J2-CC2): J2.B5 R29.1
Net-(J2-SHIELD): J2.S1 R28.1
Net-(J4-VBUS): C43.2 C45.1 J4.1 U6.6
Net-(J5-VBUS): C44.2 C46.1 J5.1 U7.6
Net-(J8-Pin_1): J8.1 SW7.1
Net-(J10-BUSY_N): J10.16 U16.7
Net-(J10-CSB): J10.13 U27.2
Net-(J10-DC): J10.14 U28.3
Net-(J10-GDR): J10.23 Q2.1
Net-(J10-RESE): J10.22 Q2.2 R72.2
Net-(J10-RST_N): J10.15 U28.2
Net-(J10-SCL): J10.12 U27.3
Net-(J10-SDA): J10.11 R75.2
Net-(J10-VCOM): C88.2 J10.1
Net-(J10-VDDD): C91.2 J10.7
Net-(J10-VDH): C90.2 J10.5
Net-(J10-VDHR): C86.2 J10.20
Net-(J10-VDL): C89.2 J10.3
Net-(Q1-B): Q1.1 R15.2
Net-(R10-Pad2): R10.2 SW1.1 SW1.2
Net-(R11-Pad2): R11.2 SW1.3 SW1.4
Net-(R12-Pad2): R12.2 SW1.5 SW1.6
Net-(SW7-B): C51.2 J3.3 SW7.2
Net-(SW9-B): C61.1 SW9.2 U21.1 U21.20
Net-(U1B-GPIOL_01): R19.2 U1.N5
Net-(U1B-TDO): R20.2 U1.R3
Net-(U1C-GPIOL_N_01_CCK): R6.2 U1.P1 U4.6
Net-(U1C-GPIOL_N_03_CDI1): U1.M2 U4.2
Net-(U1C-GPIOL_N_04_CDI3): R7.2 U1.L1 U4.7
Net-(U1C-GPIOL_P_02_CSI): R8.2 U1.P2
Net-(U1C-GPIOL_P_03_CDI0): U1.N2 U4.5
Net-(U1C-GPIOL_P_04_CDI2): U1.M1 U4.3
Net-(U1D-GPIOL_N_15_TEST_N): R16.2 U1.F3
Net-(U1F-REF_RES_2A): R2.1 U1.F8
Net-(U1I-REF_RES_3A): R4.1 U1.H11
Net-(U1L-REF_RES_4A): R3.1 U1.L9
Net-(U2-ZQ): R1.1 U2.L8
Net-(U3-EDGE/HTPLG): R77.1 U3.9
Net-(U3-TFADJ): R5.1 U3.19
Net-(U5-ADBUS3): R18.1 U5.19
Net-(U5-OSCI): C2.1 U5.2 Y1.1
Net-(U5-OSCO): C3.1 U5.3 Y1.2
Net-(U5-REF): R25.1 U5.6
Net-(U5-VPHY): C54.1 FB2.1 U5.4
Net-(U5-VPLL): C53.1 FB1.1 U5.9
Net-(U5-~{RESET}): R48.2 U5.14
Net-(U6-ILIM): R31.1 U6.5
Net-(U7-ILIM): R32.1 U7.5
Net-(U8-IO2): R58.2 R76.1 U8.16
Net-(U8-IO3): R73.1 U8.15
Net-(U8-IO4): R60.2 U8.3
Net-(U8-IO6): R62.2 U8.5
Net-(U8-IO7): R61.2 U8.6
Net-(U8-IO8): R59.2 U8.7
Net-(U8-IO9): R57.2 U8.8
Net-(U8-IO10): R63.2 U8.10
Net-(U8-RXD): R56.2 U8.11
Net-(U8-TXD): R55.2 U8.12
Net-(U9-ILIM): R45.1 U9.5
Net-(U10-VOUTA): U10.6 U11.6
Net-(U10-VOUTB): C48.1 U10.7
Net-(U10-VOUTC): C47.1 U10.8
Net-(U10-VOUTD): U10.9 U11.4
Net-(U11-BYPASS): C50.1 U11.3
Net-(U11-SHDN): U11.7 U23.3
Net-(U11-VIN1): C47.2 U11.2
Net-(U11-VIN2): C48.2 U11.8
Net-(U11-VOUT1): C51.1 U11.1
Net-(U11-VOUT2): C52.1 U11.9
Net-(U12-OSCI): U12.1 Y2.2
Net-(U12-OSCO): U12.2 Y2.1
Net-(U14-XA): U14.2 Y3.2
Net-(U14-XB): U14.3 Y3.1
Net-(U18-BST): C72.1 U18.5
Net-(U18-FB): R64.1 R65.2 U18.8
Net-(U18-SW): C72.2 L1.1 U18.3
Net-(U19-BST): C73.1 U19.5
Net-(U19-FB): R66.1 R67.2 U19.8
Net-(U19-SW): C73.2 L2.1 U19.3
Net-(U20-BST): C74.1 U20.5
Net-(U20-FB): R68.1 R69.2 U20.8
Net-(U20-SW): C74.2 L3.1 U20.3
Net-(U21-PROG1): R53.2 U21.13
Net-(U21-PROG3): R54.2 U21.12
Net-(U21-STAT1/~{LBO}): R51.2 U21.8
Net-(U21-STAT2): R70.2 U21.7
Net-(U21-THERM): TH1.2 U21.5
Net-(U22-BIAS): C76.1 U22.5
Net-(U22-LX1): L5.1 U22.8
Net-(U22-LX2): L5.2 U22.10
Net-(U25-EN): C97.1 R78.2 U25.7 U25.8
Net-(U26-BIAS): C75.1 U26.5
Net-(U26-LX1): L4.1 U26.8
Net-(U26-LX2): L4.2 U26.10
Net-(U26-SEL): R71.2 U26.1

Pads without a net: J1 13 14; J2 A8 B8; J4 5; J5 5; J6 11; J10 6 18 19 21 24 25 26; SW1 10; SW7 3; SW9 3; U1 A4 B4 C3 C5 C7 C8 D2 D3 D6 D7 D8 E3 E4 E6 E8 F2 F10 G1 G4 G5 H2 H4 H5 J1 J3 J6 J11 L2 L8 M12 N12 R16; U2 J1 J9 L1 L9; U3 11 36 37 38 39 40 41 42 43 44 45 46 47 49; U5 18 21 22 23 24 26 27 28 29 30 32 33 34 36 43 44 45 46 48 49 50 52 53 54 55 57 58 59 60 61 62 63; U6 4; U7 4; U8 4 13 14 17 18; U9 4; U10 5; U12 3 7; U17 8; U18 6; U21 6; U26 2

## Via types
v1: diameter 0.35, hole 0.2, Top to Bottom, 447 vias
v2: diameter 0.45, hole 0.3, Top to Bottom, 189 vias

## Routing (per net, layer and track width the routed paths; a pad name or vN(x,y) marks a point on that pad's centre or on a via; arc(x,y) is an arc through that point)
3V3_SCL: length 130.3
  Top w0.13: U1.A13 57.85,54.48 62,58.62 v1(62,59.07)
  Top w0.25: U12.6 20.71,33.7 21.74,34.72 U13.5 26.67,34.72 v1(26.7,34.75) ; U14.4 v1(27.83,45.78) ; U3.15 v1(81.2,47.95)
  Bottom w0.13: R50.2 83.65,48.95 ; 81.2,47.93 v1(81.2,47.95)
  Bottom w0.25: v1(81.2,47.95) 81.25,48 82.68,48 R50.2 ; 83.65,48.95 85.49,50.79 85.49,51.54 89.8,55.85 U25.3 89.8,58.12 86.45,61.47 85.47,61.47 ; 85.47,61.47 70.38,61.47 67.97,59.07 v1(62,59.07) 47.51,59.07 43.39,54.95 34.44,54.95 31.42,51.93 31.42,46.81 30.39,45.78 v1(27.83,45.78) 27.72,45.78 27.25,45.31 27.25,35.3 v1(26.7,34.75) ; 85.47,61.47 J14.2
3V3_SDA: length 132.1
  Top w0.13: U1.A12 v1(57.05,55.25)
  Top w0.25: 26.78,35.95 25.25,35.95 24.5,35.2 20.94,35.2 19.44,33.7 U12.5 ; 26.78,35.95 27.25,35.95 v1(27.75,36.45) ; 26.78,35.95 U13.4 ; U3.14 v1(80.7,47.95) ; U14.5 v1(27.83,45.28)
  Bottom w0.25: 28.25,45.28 30.61,45.28 31.93,46.6 31.93,51.75 34.56,54.38 43.56,54.38 47.7,58.52 57.05,58.52 ; 28.25,45.28 27.75,44.78 v1(27.75,36.45) ; 28.25,45.28 v1(27.83,45.28) ; v1(80.7,47.95) 80.5,47.95 ; 80.5,47.95 79.4,47.95 R49.2 78.12,48.95 73.41,53.66 66.25,53.66 61.39,58.52 57.05,58.52 ; 80.5,47.95 80.95,47.5 90.95,47.5 94.15,50.7 94.15,57.35 ; 94.15,57.35 94.12,57.32 U25.4 ; 94.15,57.35 94.15,67.61 J14.3 ; 57.05,58.52 v1(57.05,55.25)
+0V95: length 62.6
  Top w0.25: v1(54.65,48.35) v1(55.45,47.55) ; v1(54.65,48.35) v1(55.45,49.15) U1.F11 ; v1(54.65,48.35) v1(53.85,49.15) ; v1(55.45,45.95) v1(53.85,47.55) ; v1(53.85,47.55) v1(53.05,46.75) U1.L7 ; v1(53.85,47.55) v1(53.05,48.35)
  In2.Cu w0.25: 24.06,79.72 24.06,77.3 v2(39.74,61.62)
  Bottom w0.25: v1(53.05,46.75) 52.28,47.52 C7.1 52.22,47.52 v1(53.05,48.35) ; v1(53.85,47.55) v1(54.65,46.75) 55.45,46.75 ; v1(44.8,44.75) v1(44.8,46.39) v1(44.8,47.6) v1(44.8,48.8) ; 55.45,46.75 v1(55.45,45.95) 56.22,45.17 56.28,45.17 ; 55.45,46.75 v1(55.45,47.55) v1(54.65,48.35)
  Bottom w0.5: v2(40.11,60.47) v2(39.55,60.47) v2(39.55,59.37) 39.55,59.32 v2(40.18,59.32) v2(40.78,59.32) v2(41.38,59.32) v2(42,59.32) ; v2(42,59.32) 42.15,59.47 v2(42.15,60.07) v2(42.15,61.72) ; v2(42,59.32) v2(42.68,59.32) 43.3,59.32 44.3,58.32 44.07,58.55 v2(42.68,58.55) C82.1 v2(40.9,58.55) C77.1 ; v2(40.32,61.62) v2(39.74,61.62)
  vias: v1(52.25,49.95) v2(42.15,60.87)
